# Altium PCB RockerBox_Rev01.PcbDoc (part 2 of 8)
Units mil, origin at the board's own origin, x right, y up, seen from the top; angles counter-clockwise.
Board outline 5354.33 x 8818.9 mil, 4 copper layers (L1, L2, L3, L4), stack 62.087 mil thick; 579 components, 159 nets, 3624 pads, 3252 vias.
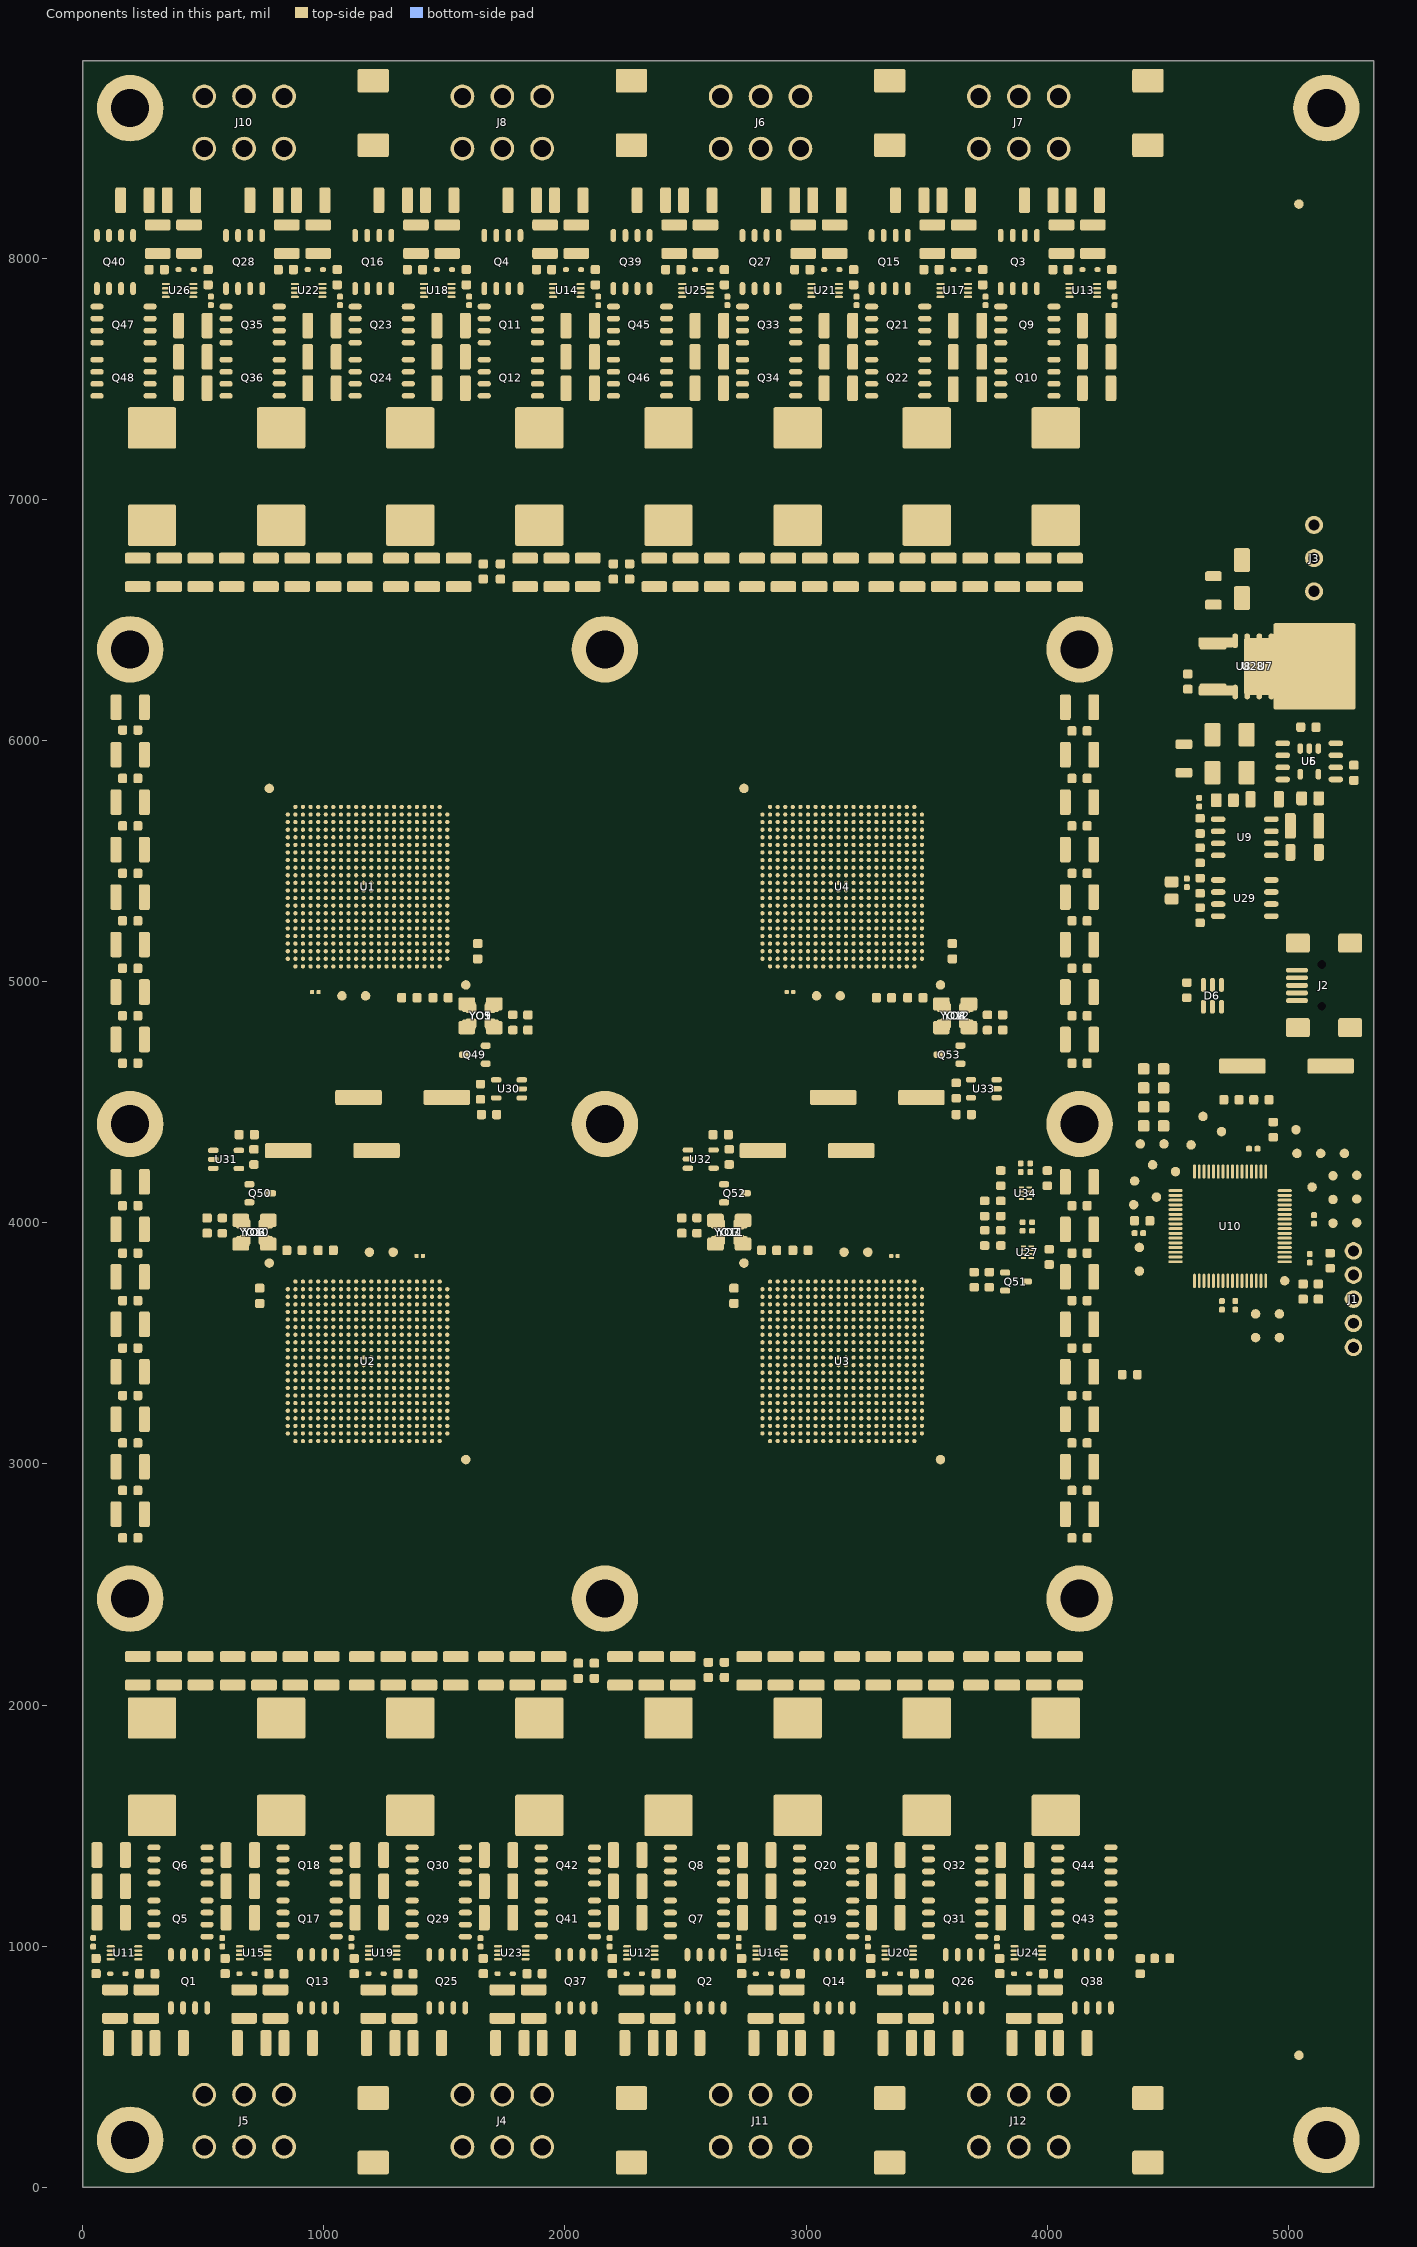
[diagram p4: the components of this part, seen from the top]

## Components (designator, comment, footprint, x,y, rotation, side; value= is the part's Value field where it differs from the comment) (continued)
C122 "100nF" SMD_0402_CAPC1005X55N 2673.23,7822.83 r270 top
C123 "100nF" SMD_0402_CAPC1005X55N 531.5,7822.83 r270 top
C124 "220nF" SMD_0603_CAPC1608X95N 1874.02,885.83 r0 top
C125 "220nF" SMD_0603_CAPC1608X95N 4015.75,885.83 r0 top
C126 "220nF" SMD_0603_CAPC1608X95N 2448.82,7952.76 r180 top
C127 "220nF" SMD_0603_CAPC1608X95N 307.09,7952.76 r180 top
C128 "100uF" SMD_1210_CAPC3225X270N 1740.16,759.84 r90 top
C129 "100uF" SMD_1210_CAPC3225X270N 1964.57,598.43 r0 top
C130 "220uF" SMD_1210_CAPC3225X279N 1952.76,2141.73 r270 top
C131 "220uF" SMD_1210_CAPC3225X279N 1692.91,2141.73 r270 top
C132 "220uF" SMD_1210_CAPC3225X279N 1822.83,2141.73 r270 top
C133 "100uF" SMD_1210_CAPC3225X270N 3881.89,759.84 r90 top
C134 "100uF" SMD_1210_CAPC3225X270N 4106.3,598.43 r0 top
C135 "220uF" SMD_1210_CAPC3225X279N 4094.49,2141.73 r270 top
C136 "220uF" SMD_1210_CAPC3225X279N 3834.65,2141.73 r270 top
C137 "220uF" SMD_1210_CAPC3225X279N 3964.57,2141.73 r270 top
C138 "100uF" SMD_1210_CAPC3225X270N 2582.68,8078.74 r270 top
C139 "100uF" SMD_1210_CAPC3225X270N 2358.27,8240.16 r180 top
C140 "220uF" SMD_1210_CAPC3225X279N 2629.92,6696.85 r90 top
C141 "220uF" SMD_1210_CAPC3225X279N 2500,6696.85 r90 top
C142 "220uF" SMD_1210_CAPC3225X279N 2370.08,6696.85 r90 top
C143 "100uF" SMD_1210_CAPC3225X270N 440.94,8078.74 r270 top
C144 "100uF" SMD_1210_CAPC3225X270N 216.54,8240.16 r180 top
C145 "220uF" SMD_1210_CAPC3225X279N 488.19,6696.85 r90 top
C146 "220uF" SMD_1210_CAPC3225X279N 358.27,6696.85 r90 top
C147 "220uF" SMD_1210_CAPC3225X279N 228.35,6696.85 r90 top
C148 "470nF" SMD_0603_CAPC1608X95N 196.85,4661.42 r180 top
C149 "470nF" SMD_0603_CAPC1608X95N 196.85,5448.82 r180 top
C150 "470nF" SMD_0603_CAPC1608X95N 1661.42,6700.79 r90 top
C151 "470nF" SMD_0603_CAPC1608X95N 196.85,5055.12 r180 top
C152 "470nF" SMD_0603_CAPC1608X95N 196.85,4858.27 r180 top
C153 "470nF" SMD_0603_CAPC1608X95N 196.85,5251.97 r180 top
C154 "470nF" SMD_0603_CAPC1608X95N 196.85,5645.67 r180 top
C155 "470nF" SMD_0603_CAPC1608X95N 196.85,5842.52 r180 top
C156 "220uF" SMD_1210_CAPC3225X279N 618.11,6696.85 r90 top
C157 "220uF" SMD_1210_CAPC3225X279N 196.85,6137.8 r180 top
C158 "220uF" SMD_1210_CAPC3225X279N 196.85,5547.24 r180 top
C159 "220uF" SMD_1210_CAPC3225X279N 196.85,5940.94 r180 top
C160 "220uF" SMD_1210_CAPC3225X279N 196.85,5744.09 r180 top
C161 "220uF" SMD_1210_CAPC3225X279N 196.85,5350.39 r180 top
C162 "220uF" SMD_1210_CAPC3225X279N 196.85,5153.54 r180 top
C163 "220uF" SMD_1210_CAPC3225X279N 196.85,4956.69 r180 top
C164 "220uF" SMD_1210_CAPC3225X279N 196.85,4759.84 r180 top
C165 "220uF" SMD_1210_CAPC3225X279N 1149.61,6696.85 r90 top
C166 "470nF" SMD_0603_CAPC1608X95N 2200.79,6700.79 r90 top
C167 "470nF" SMD_0603_CAPC1608X95N 4133.86,5842.52 r0 top
C168 "100nF" SMD_0402_CAPC1005X55N 3937.2,3984.25 r270 top
C169 "470nF" SMD_0603_CAPC1608X95N 4133.86,4858.27 r0 top
C170 "470nF" SMD_0603_CAPC1608X95N 4133.86,5251.97 r0 top
C171 "470nF" SMD_0603_CAPC1608X95N 2267.72,6700.79 r90 top
C172 "470nF" SMD_0603_CAPC1608X95N 4133.86,5055.12 r0 top
C173 "470nF" SMD_0603_CAPC1608X95N 4133.86,5448.82 r0 top
C174 "470nF" SMD_0603_CAPC1608X95N 4133.86,5645.67 r0 top
C175 "470nF" SMD_0603_CAPC1608X95N 4133.86,4661.42 r0 top
C176 "470nF" SMD_0603_CAPC1608X95N 4133.86,6039.37 r0 top
C177 "470nF" SMD_0603_CAPC1608X95N 196.85,3874.02 r180 top
C178 "470nF" SMD_0603_CAPC1608X95N 196.85,3677.17 r180 top
C179 "470nF" SMD_0603_CAPC1608X95N 196.85,2692.91 r180 top
C180 "470nF" SMD_0603_CAPC1608X95N 196.85,2889.76 r180 top
C181 "470nF" SMD_0603_CAPC1608X95N 196.85,4070.87 r180 top
C182 "470nF" SMD_0603_CAPC1608X95N 196.85,3086.61 r180 top
C183 "470nF" SMD_0603_CAPC1608X95N 196.85,3283.46 r180 top
C184 "470nF" SMD_0603_CAPC1608X95N 196.85,3480.31 r180 top
C185 "470nF" SMD_0603_CAPC1608X95N 2122.05,2141.73 r270 top
C186 "470nF" SMD_0603_CAPC1608X95N 2055.12,2141.73 r270 top
C187 "470nF" SMD_0603_CAPC1608X95N 2661.42,2145.67 r270 top
C188 "470nF" SMD_0603_CAPC1608X95N 2594.49,2145.67 r270 top
C189 "470nF" SMD_0603_CAPC1608X95N 4133.86,2692.91 r0 top
C190 "470nF" SMD_0603_CAPC1608X95N 4133.86,2889.76 r0 top
C191 "470nF" SMD_0603_CAPC1608X95N 4133.86,3086.61 r0 top
C192 "470nF" SMD_0603_CAPC1608X95N 4133.86,3283.46 r0 top
C193 "470nF" SMD_0603_CAPC1608X95N 4133.86,3480.31 r0 top
C194 "470nF" SMD_0603_CAPC1608X95N 4133.86,3677.17 r0 top
C195 "470nF" SMD_0603_CAPC1608X95N 4133.86,3874.02 r0 top
C196 "470nF" SMD_0603_CAPC1608X95N 4133.86,4070.87 r0 top
C197 "220uF" SMD_1210_CAPC3225X279N 4133.86,3972.44 r0 top
C198 "220uF" SMD_1210_CAPC3225X279N 3169.29,2141.73 r270 top
C199 "220uF" SMD_1210_CAPC3225X279N 3704.72,2141.73 r270 top
C200 "220uF" SMD_1210_CAPC3225X279N 4133.86,2791.34 r0 top
C201 "220uF" SMD_1210_CAPC3225X279N 4133.86,2988.19 r0 top
C202 "220uF" SMD_1210_CAPC3225X279N 4133.86,3381.89 r0 top
C203 "220uF" SMD_1210_CAPC3225X279N 4133.86,3185.04 r0 top
C204 "220uF" SMD_1210_CAPC3225X279N 4133.86,3578.74 r0 top
C205 "220uF" SMD_1210_CAPC3225X279N 4133.86,3775.59 r0 top
C206 "220uF" SMD_1210_CAPC3225X279N 4133.86,4169.29 r0 top
C207 "220uF" SMD_1210_CAPC3225X279N 1547.24,2141.73 r270 top
C208 "220uF" SMD_1210_CAPC3225X279N 1011.81,2141.73 r270 top
C209 "220uF" SMD_1210_CAPC3225X279N 196.85,4169.29 r180 top
C210 "220uF" SMD_1210_CAPC3225X279N 196.85,3972.44 r180 top
C211 "220uF" SMD_1210_CAPC3225X279N 196.85,3775.59 r180 top
C212 "220uF" SMD_1210_CAPC3225X279N 196.85,3381.89 r180 top
C213 "220uF" SMD_1210_CAPC3225X279N 196.85,3185.04 r180 top
C214 "220uF" SMD_1210_CAPC3225X279N 196.85,2988.19 r180 top
C215 "220uF" SMD_1210_CAPC3225X279N 196.85,2791.34 r180 top
C216 "220uF" SMD_1210_CAPC3225X279N 196.85,3578.74 r180 top
C217 "220uF" SMD_1210_CAPC3225X279N 4133.86,6137.8 r0 top
C218 "220uF" SMD_1210_CAPC3225X279N 4133.86,5744.09 r0 top
C219 "220uF" SMD_1210_CAPC3225X279N 3311.02,6696.85 r90 top
C220 "220uF" SMD_1210_CAPC3225X279N 2775.59,6696.85 r90 top
C221 "220uF" SMD_1210_CAPC3225X279N 4133.86,4759.84 r0 top
C222 "220uF" SMD_1210_CAPC3225X279N 4133.86,4956.69 r0 top
C223 "220uF" SMD_1210_CAPC3225X279N 4133.86,5153.54 r0 top
C224 "220uF" SMD_1210_CAPC3225X279N 4133.86,5350.39 r0 top
C225 "220uF" SMD_1210_CAPC3225X279N 4133.86,5547.24 r0 top
C226 "220uF" SMD_1210_CAPC3225X279N 4133.86,5940.94 r0 top
C227 "470nF" SMD_0603_CAPC1608X95N 1846.46,4830.71 r90 top
C228 "470nF" SMD_0603_CAPC1608X95N 515.75,3988.19 r270 top
C229 "470nF" SMD_0603_CAPC1608X95N 680.11,4365.33 r0 top
C230 "470nF" SMD_0603_CAPC1608X95N 3814.96,4830.71 r90 top
C231 "22uF" SMD_0805_CAPC2012X145N 4515.75,5377.95 r270 top
C232 "100nF" SMD_0402_CAPC1005X55N 4578.74,5409.45 r270 top
C233 "470nF" SMD_0603_CAPC1608X95N 1637.8,5125.98 r270 top
C234 "470nF" SMD_0603_CAPC1608X95N 733.68,3696.87 r90 top
C235 "470nF" SMD_0603_CAPC1608X95N 2700.79,3696.87 r90 top
C236 "220uF" SMD_1210_CAPC3225X279N 358.58,2142.33 r270 top
C237 "470nF" SMD_0603_CAPC1608X95N 3606.3,5125.98 r270 top
C238 "470nF" SMD_0603_CAPC1608X95N 1685.04,4448.82 r180 top
C239 "470nF" SMD_0603_CAPC1608X95N 3653.54,4448.82 r180 top
C240 "470nF" SMD_0603_CAPC1608X95N 2484.25,3988.19 r270 top
C241 "470nF" SMD_0603_CAPC1608X95N 2645.67,4365.33 r0 top
C242 "18pF" SMD_0603_CAPC1608X95N 1484.25,4933.07 r0 top
C243 "18pF" SMD_0603_CAPC1608X95N 1354.33,4933.07 r180 top
C244 "18pF" SMD_0603_CAPC1608X95N 877.95,3885.83 r180 top
C245 "18pF" SMD_0603_CAPC1608X95N 1007.87,3885.83 r0 top
C246 "18pF" SMD_0603_CAPC1608X95N 2846.46,3885.83 r180 top
C247 "18pF" SMD_0603_CAPC1608X95N 2976.38,3885.83 r0 top
C248 "18pF" SMD_0603_CAPC1608X95N 3452.76,4933.07 r0 top
C249 "18pF" SMD_0603_CAPC1608X95N 3322.83,4933.07 r180 top
C250 "100nF" SMD_0402_CAPC1005X55N 3889.96,4228.35 r270 top
C251 "100nF" SMD_0402_CAPC1005X55N 3929.33,4228.35 r270 top
C347 "1uF" SMD_0603_CAPC1608X95N 5271.65,5866.14 r90 top
C348 "100uF" SMD_1210_CAPC3225X270N 2307.09,598.43 r180 top
C349 "100uF" SMD_1210_CAPC3225X270N 2405.51,759.84 r90 top
C350 "220uF" SMD_1210_CAPC3225X279N 2259.84,1248.03 r180 top
C351 "220uF" SMD_1210_CAPC3225X279N 2259.84,1377.95 r180 top
C352 "220uF" SMD_1210_CAPC3225X279N 2259.84,1118.11 r180 top
C353 "100uF" SMD_1210_CAPC3225X270N 2015.75,8240.16 r0 top
C354 "100uF" SMD_1210_CAPC3225X270N 1917.32,8078.74 r270 top
C355 "220uF" SMD_1210_CAPC3225X279N 2062.99,7720.47 r0 top
C356 "220uF" SMD_1210_CAPC3225X279N 2062.99,7590.55 r0 top
C357 "220uF" SMD_1210_CAPC3225X279N 2062.99,7460.63 r0 top
C358 "100uF" SMD_1210_CAPC3225X270N 1480.31,8240.16 r0 top
C359 "100uF" SMD_1210_CAPC3225X270N 1381.89,8078.74 r270 top
C360 "220uF" SMD_1210_CAPC3225X279N 1527.56,7720.47 r0 top
C361 "220uF" SMD_1210_CAPC3225X279N 1527.56,7590.55 r0 top
C362 "220uF" SMD_1210_CAPC3225X279N 1527.56,7460.63 r0 top
C363 "100uF" SMD_1210_CAPC3225X270N 944.88,8240.16 r0 top
C364 "100uF" SMD_1210_CAPC3225X270N 846.46,8078.74 r270 top
C365 "220uF" SMD_1210_CAPC3225X279N 992.13,7460.63 r0 top
C366 "220uF" SMD_1210_CAPC3225X279N 992.13,7590.55 r0 top
C367 "220uF" SMD_1210_CAPC3225X279N 992.13,7720.47 r0 top
C368 "100uF" SMD_1210_CAPC3225X270N 409.45,8240.16 r0 top
C369 "100uF" SMD_1210_CAPC3225X270N 311.02,8078.74 r270 top
C370 "220uF" SMD_1210_CAPC3225X279N 456.69,7460.63 r0 top
C371 "220uF" SMD_1210_CAPC3225X279N 456.69,7590.55 r0 top
C372 "220uF" SMD_1210_CAPC3225X279N 456.69,7720.47 r0 top
C373 "100uF" SMD_1210_CAPC3225X270N 4157.48,8240.16 r0 top
C374 "100uF" SMD_1210_CAPC3225X270N 4059.06,8078.74 r270 top
C375 "220uF" SMD_1210_CAPC3225X279N 4204.72,7590.55 r0 top
C376 "220uF" SMD_1210_CAPC3225X279N 4204.72,7720.47 r0 top
C377 "220uF" SMD_1210_CAPC3225X279N 4204.72,7460.63 r0 top
C378 "100uF" SMD_1210_CAPC3225X270N 3622.05,8240.16 r0 top
C379 "100uF" SMD_1210_CAPC3225X270N 3523.62,8078.74 r270 top
C380 "220uF" SMD_1210_CAPC3225X279N 3669.29,7456.69 r0 top
C381 "220uF" SMD_1210_CAPC3225X279N 3669.29,7590.55 r0 top
C382 "220uF" SMD_1210_CAPC3225X279N 3669.29,7720.47 r0 top
C383 "100uF" SMD_1210_CAPC3225X270N 3086.61,8240.16 r0 top
C384 "100uF" SMD_1210_CAPC3225X270N 2988.19,8078.74 r270 top
C385 "220uF" SMD_1210_CAPC3225X279N 3133.86,7460.63 r0 top
C386 "220uF" SMD_1210_CAPC3225X279N 3133.86,7590.55 r0 top
C387 "220uF" SMD_1210_CAPC3225X279N 3133.86,7720.47 r0 top
C388 "220uF" SMD_1210_CAPC3225X279N 2598.43,7460.63 r0 top
C389 "220uF" SMD_1210_CAPC3225X279N 2598.43,7590.55 r0 top
C390 "220uF" SMD_1210_CAPC3225X279N 2598.43,7720.47 r0 top
C391 "100uF" SMD_1210_CAPC3225X270N 2551.18,8240.16 r0 top
C392 "100uF" SMD_1210_CAPC3225X270N 2452.76,8078.74 r270 top
C393 "220uF" SMD_1210_CAPC3225X279N 2795.28,1248.03 r180 top
C394 "220uF" SMD_1210_CAPC3225X279N 2795.28,1377.95 r180 top
C395 "220uF" SMD_1210_CAPC3225X279N 2795.28,1118.11 r180 top
C396 "220uF" SMD_1210_CAPC3225X279N 3330.71,1248.03 r180 top
C397 "220uF" SMD_1210_CAPC3225X279N 3330.71,1377.95 r180 top
C398 "220uF" SMD_1210_CAPC3225X279N 3330.71,1118.11 r180 top
C399 "220uF" SMD_1210_CAPC3225X279N 3866.14,1248.03 r180 top
C400 "220uF" SMD_1210_CAPC3225X279N 3866.14,1377.95 r180 top
C401 "220uF" SMD_1210_CAPC3225X279N 3866.14,1118.11 r180 top
C402 "100uF" SMD_1210_CAPC3225X270N 2842.52,598.43 r180 top
C403 "100uF" SMD_1210_CAPC3225X270N 2940.94,759.84 r90 top
C404 "100uF" SMD_1210_CAPC3225X270N 3377.95,598.43 r180 top
C405 "100uF" SMD_1210_CAPC3225X270N 3476.38,759.84 r90 top
C406 "100uF" SMD_1210_CAPC3225X270N 3913.39,598.43 r180 top
C407 "100uF" SMD_1210_CAPC3225X270N 4011.81,759.84 r90 top
C408 "220uF" SMD_1210_CAPC3225X279N 118.11,1248.03 r180 top
C409 "220uF" SMD_1210_CAPC3225X279N 118.11,1377.95 r180 top
C410 "220uF" SMD_1210_CAPC3225X279N 118.11,1118.11 r180 top
C411 "220uF" SMD_1210_CAPC3225X279N 653.54,1248.03 r180 top
C412 "220uF" SMD_1210_CAPC3225X279N 653.54,1377.95 r180 top
C413 "220uF" SMD_1210_CAPC3225X279N 653.54,1118.11 r180 top
C414 "220uF" SMD_1210_CAPC3225X279N 1188.98,1248.03 r180 top
C415 "220uF" SMD_1210_CAPC3225X279N 1188.98,1377.95 r180 top
C416 "220uF" SMD_1210_CAPC3225X279N 1188.98,1118.11 r180 top
C417 "220uF" SMD_1210_CAPC3225X279N 1724.41,1248.03 r180 top
C418 "220uF" SMD_1210_CAPC3225X279N 1724.41,1377.95 r180 top
C419 "220uF" SMD_1210_CAPC3225X279N 1724.41,1118.11 r180 top
C420 "100uF" SMD_1210_CAPC3225X270N 165.35,598.43 r180 top
C421 "100uF" SMD_1210_CAPC3225X270N 263.78,759.84 r90 top
C422 "100uF" SMD_1210_CAPC3225X270N 700.79,598.43 r180 top
C423 "100uF" SMD_1210_CAPC3225X270N 799.21,759.84 r90 top
C424 "100uF" SMD_1210_CAPC3225X270N 1236.22,598.43 r180 top
C425 "100uF" SMD_1210_CAPC3225X270N 1334.65,759.84 r90 top
C426 "100uF" SMD_1210_CAPC3225X270N 1771.65,598.43 r180 top
C427 "100uF" SMD_1210_CAPC3225X270N 1870.08,759.84 r90 top
D1 "KP-2012CGCK" SMD_0805_LED2012X100N 4440.94,4401.57 r0 top
D2 "KP-2012CGCK" SMD_0805_LED2012X100N 4440.94,4480.31 r0 top
D3 "KP-2012CGCK" SMD_0805_LED2012X100N 4440.94,4637.8 r0 top
D4 "KP-2012CGCK" SMD_0805_LED2012X100N 4440.94,4559.06 r0 top
D5 "(OPT)SS14" SMD_DO214AC_SMA 4685.04,5944.88 r90 top
D6 "SMS05T1G" SMD_SOT457_SOT95P275X110-6N 4685.04,4940.94 r270 top
D7 "(OPT)SS14" SMD_DO214AC_SMA 4826.77,5944.88 r270 top
D8 "SS14" SMD_DO214AC_SMA 4807.09,6669.29 r90 top
D9 "SMCJ12A" SMD_DO214AC_SMC 4417.32,236.22 r270 top
D10 "1N4448HWT" SMD_SOD523_SOD1608X65N 145.67,885.83 r180 top
D11 "1N4448HWT" SMD_SOD523_SOD1608X65N 2287.4,885.83 r180 top
D12 "1N4448HWT" SMD_SOD523_SOD1608X65N 4177.17,7952.76 r0 top
D13 "1N4448HWT" SMD_SOD523_SOD1608X65N 2035.43,7952.76 r0 top
D14 "1N4448HWT" SMD_SOD523_SOD1608X65N 681.1,885.83 r180 top
D15 "1N4448HWT" SMD_SOD523_SOD1608X65N 2822.83,885.83 r180 top
D16 "1N4448HWT" SMD_SOD523_SOD1608X65N 3641.73,7952.76 r0 top
D17 "1N4448HWT" SMD_SOD523_SOD1608X65N 1500,7952.76 r0 top
D18 "1N4448HWT" SMD_SOD523_SOD1608X65N 1216.54,885.83 r180 top
D19 "1N4448HWT" SMD_SOD523_SOD1608X65N 3358.27,885.83 r180 top
D20 "1N4448HWT" SMD_SOD523_SOD1608X65N 3106.3,7952.76 r0 top
D21 "1N4448HWT" SMD_SOD523_SOD1608X65N 964.57,7952.76 r0 top
D22 "1N4448HWT" SMD_SOD523_SOD1608X65N 1751.97,885.83 r180 top
D23 "1N4448HWT" SMD_SOD523_SOD1608X65N 3893.7,885.83 r180 top
D24 "1N4448HWT" SMD_SOD523_SOD1608X65N 2570.87,7952.76 r0 top
D25 "1N4448HWT" SMD_SOD523_SOD1608X65N 429.13,7952.76 r0 top
D26 "SMCJ12A" SMD_DO214AC_SMC 2275.59,236.22 r270 top
D27 "SMCJ12A" SMD_DO214AC_SMC 3346.46,236.22 r270 top
D28 "SMCJ12A" SMD_DO214AC_SMC 1204.72,236.22 r270 top
D29 "SMCJ12A" SMD_DO214AC_SMC 1204.72,8602.36 r90 top
D30 "SMCJ12A" SMD_DO214AC_SMC 3346.46,8602.36 r90 top
D31 "SMCJ12A" SMD_DO214AC_SMC 2275.59,8602.36 r90 top
D32 "SMCJ12A" SMD_DO214AC_SMC 4417.32,8602.36 r90 top
FID1 "FIDUCIAL 100X200" FID100X200 5043.5,547.24 r0 top
FID2 "FIDUCIAL 100X200" FID100X200 5043.5,8224.41 r0 top
J1 "CONN PCB 5P M S" PTH_HDRV05W64P254_1X05 5269.68,3683.07 r270 top
J2 "USB MINI" SMD_CON-CVILUX-CU04-SCM15B0 5137.8,4984.25 r90 top
J3 "HD-351-3P" PTH_CON_HD-351-3P 5106.3,6755.91 r90 top
J4 "WR-MPC4" PTH_CON_WR-MRC4-6P_S 1740.16,275.59 r180 top
J5 "WR-MPC4" PTH_CON_WR-MRC4-6P_S 669.29,275.59 r180 top
J6 "WR-MPC4" PTH_CON_WR-MRC4-6P_S 2811.02,8562.99 r0 top
J7 "WR-MPC4" PTH_CON_WR-MRC4-6P_S 3881.89,8562.99 r0 top
J8 "WR-MPC4" PTH_CON_WR-MRC4-6P_S 1740.16,8562.99 r0 top
J9 "PTH_MTG400_700" PTH_MTG400_700 196.85,4409.45 r0 top
J10 "WR-MPC4" PTH_CON_WR-MRC4-6P_S 669.29,8562.99 r0 top
J11 "WR-MPC4" PTH_CON_WR-MRC4-6P_S 2811.02,275.59 r180 top
J12 "WR-MPC4" PTH_CON_WR-MRC4-6P_S 3881.89,275.59 r180 top
J13 "PTH_MTG400_700" PTH_MTG400_700 2165.35,4409.45 r0 top
J14 "PTH_MTG400_700" PTH_MTG400_700 2165.35,6377.95 r0 top
J15 "PTH_MTG400_700" PTH_MTG400_700 196.85,6377.95 r0 top
J16 "PTH_MTG400_700" PTH_MTG400_700 4133.86,6377.95 r0 top
J17 "PTH_MTG400_700" PTH_MTG400_700 4133.86,4409.45 r0 top
J18 "PTH_MTG400_700" PTH_MTG400_700 196.85,2440.94 r0 top
J19 "PTH_MTG400_700" PTH_MTG400_700 2165.35,2440.94 r0 top
J20 "PTH_MTG400_700" PTH_MTG400_700 4133.86,2440.94 r0 top
J21 "PTH_MTG400_700" PTH_MTG400_700 196.85,196.85 r0 top
J22 "PTH_MTG400_700" PTH_MTG400_700 5157.48,196.85 r0 top
J23 "PTH_MTG400_700" PTH_MTG400_700 196.85,8622.05 r0 top
J24 "PTH_MTG400_700" PTH_MTG400_700 5157.48,8622.05 r0 top
L1 "DB_VALUE" SMT_INDM135130X800N 287.4,1744.09 r90 top
L2 "DB_VALUE" SMT_INDM135130X800N 2429.13,1744.09 r90 top
L3 "DB_VALUE" SMT_INDM135130X800N 4035.43,7094.49 r270 top
L4 "DB_VALUE" SMT_INDM135130X800N 1893.7,7094.49 r270 top
L5 "DB_VALUE" SMT_INDM135130X800N 822.83,1744.09 r90 top
L6 "DB_VALUE" SMT_INDM135130X800N 2964.57,1744.09 r90 top
L7 "DB_VALUE" SMT_INDM135130X800N 3500,7094.49 r270 top
L8 "DB_VALUE" SMT_INDM135130X800N 1358.27,7094.49 r270 top
L9 "DB_VALUE" SMT_INDM135130X800N 1358.27,1744.09 r90 top
L10 "DB_VALUE" SMT_INDM135130X800N 3500,1744.09 r90 top
L11 "DB_VALUE" SMT_INDM135130X800N 2964.57,7094.49 r270 top
L12 "DB_VALUE" SMT_INDM135130X800N 822.83,7094.49 r270 top
L13 "DB_VALUE" SMT_INDM135130X800N 1893.7,1744.09 r90 top
L14 "DB_VALUE" SMT_INDM135130X800N 4035.43,1744.09 r90 top
L15 "DB_VALUE" SMT_INDM135130X800N 2429.13,7094.49 r270 top
L16 "DB_VALUE" SMT_INDM135130X800N 287.4,7094.49 r270 top
Q1 "AP1RA03GMT-HF-3" SMD_SOIC127P600X110-9AN 440.94,854.33 r270 top
Q2 "AP1RA03GMT-HF-3" SMD_SOIC127P600X110-9AN 2582.68,854.33 r270 top
Q3 "AP1RA03GMT-HF-3" SMD_SOIC127P600X110-9AN 3881.89,7984.25 r90 top
Q4 "AP1RA03GMT-HF-3" SMD_SOIC127P600X110-9AN 1740.16,7984.25 r90 top
Q5 "AP1RA03GMT-HF-3" SMD_SOIC127P600X110-9AN 405.51,1114.17 r0 top
Q6 "AP1RA03GMT-HF-3" SMD_SOIC127P600X110-9AN 405.51,1334.65 r0 top
Q7 "AP1RA03GMT-HF-3" SMD_SOIC127P600X110-9AN 2547.24,1114.17 r0 top
Q8 "AP1RA03GMT-HF-3" SMD_SOIC127P600X110-9AN 2547.24,1334.65 r0 top
Q9 "AP1RA03GMT-HF-3" SMD_SOIC127P600X110-9AN 3917.32,7724.41 r180 top
Q10 "AP1RA03GMT-HF-3" SMD_SOIC127P600X110-9AN 3917.32,7503.94 r180 top
Q11 "AP1RA03GMT-HF-3" SMD_SOIC127P600X110-9AN 1775.59,7724.41 r180 top
Q12 "AP1RA03GMT-HF-3" SMD_SOIC127P600X110-9AN 1775.59,7503.94 r180 top
Q13 "AP1RA03GMT-HF-3" SMD_SOIC127P600X110-9AN 976.38,854.33 r270 top
Q14 "AP1RA03GMT-HF-3" SMD_SOIC127P600X110-9AN 3118.11,854.33 r270 top
Q15 "AP1RA03GMT-HF-3" SMD_SOIC127P600X110-9AN 3346.46,7984.25 r90 top
Q16 "AP1RA03GMT-HF-3" SMD_SOIC127P600X110-9AN 1204.72,7984.25 r90 top
Q17 "AP1RA03GMT-HF-3" SMD_SOIC127P600X110-9AN 940.94,1114.17 r0 top
Q18 "AP1RA03GMT-HF-3" SMD_SOIC127P600X110-9AN 940.94,1334.65 r0 top
Q19 "AP1RA03GMT-HF-3" SMD_SOIC127P600X110-9AN 3082.68,1114.17 r0 top
Q20 "AP1RA03GMT-HF-3" SMD_SOIC127P600X110-9AN 3082.68,1334.65 r0 top
Q21 "AP1RA03GMT-HF-3" SMD_SOIC127P600X110-9AN 3381.89,7724.41 r180 top
Q22 "AP1RA03GMT-HF-3" SMD_SOIC127P600X110-9AN 3381.89,7503.94 r180 top
Q23 "AP1RA03GMT-HF-3" SMD_SOIC127P600X110-9AN 1240.16,7724.41 r180 top
Q24 "AP1RA03GMT-HF-3" SMD_SOIC127P600X110-9AN 1240.16,7503.94 r180 top
Q25 "AP1RA03GMT-HF-3" SMD_SOIC127P600X110-9AN 1511.81,854.33 r270 top
Q26 "AP1RA03GMT-HF-3" SMD_SOIC127P600X110-9AN 3653.54,854.33 r270 top
Q27 "AP1RA03GMT-HF-3" SMD_SOIC127P600X110-9AN 2811.02,7984.25 r90 top
Q28 "AP1RA03GMT-HF-3" SMD_SOIC127P600X110-9AN 669.29,7984.25 r90 top
Q29 "AP1RA03GMT-HF-3" SMD_SOIC127P600X110-9AN 1476.38,1114.17 r0 top
Q30 "AP1RA03GMT-HF-3" SMD_SOIC127P600X110-9AN 1476.38,1334.65 r0 top
Q31 "AP1RA03GMT-HF-3" SMD_SOIC127P600X110-9AN 3618.11,1114.17 r0 top
Q32 "AP1RA03GMT-HF-3" SMD_SOIC127P600X110-9AN 3618.11,1334.65 r0 top
Q33 "AP1RA03GMT-HF-3" SMD_SOIC127P600X110-9AN 2846.46,7724.41 r180 top
Q34 "AP1RA03GMT-HF-3" SMD_SOIC127P600X110-9AN 2846.46,7503.94 r180 top
Q35 "AP1RA03GMT-HF-3" SMD_SOIC127P600X110-9AN 704.72,7724.41 r180 top
Q36 "AP1RA03GMT-HF-3" SMD_SOIC127P600X110-9AN 704.72,7503.94 r180 top
Q37 "AP1RA03GMT-HF-3" SMD_SOIC127P600X110-9AN 2047.24,854.33 r270 top
Q38 "AP1RA03GMT-HF-3" SMD_SOIC127P600X110-9AN 4188.98,854.33 r270 top
Q39 "AP1RA03GMT-HF-3" SMD_SOIC127P600X110-9AN 2275.59,7984.25 r90 top
Q40 "AP1RA03GMT-HF-3" SMD_SOIC127P600X110-9AN 133.86,7984.25 r90 top
Q41 "AP1RA03GMT-HF-3" SMD_SOIC127P600X110-9AN 2011.81,1114.17 r0 top
Q42 "AP1RA03GMT-HF-3" SMD_SOIC127P600X110-9AN 2011.81,1334.65 r0 top
Q43 "AP1RA03GMT-HF-3" SMD_SOIC127P600X110-9AN 4153.54,1114.17 r0 top
Q44 "AP1RA03GMT-HF-3" SMD_SOIC127P600X110-9AN 4153.54,1334.65 r0 top
Q45 "AP1RA03GMT-HF-3" SMD_SOIC127P600X110-9AN 2311.02,7724.41 r180 top
Q46 "AP1RA03GMT-HF-3" SMD_SOIC127P600X110-9AN 2311.02,7503.94 r180 top
Q47 "AP1RA03GMT-HF-3" SMD_SOIC127P600X110-9AN 169.29,7724.41 r180 top
Q48 "AP1RA03GMT-HF-3" SMD_SOIC127P600X110-9AN 169.29,7503.94 r180 top
Q49 "BSS138" SMD_SOT23_SOT95P240X112-3N 1625.98,4696.85 r180 top
Q50 "BSS138" SMD_SOT23_SOT95P240X112-3N 736.22,4122.05 r0 top
Q51 "BSS138" SMD_SOT23_SOT95P240X112-3N 3870.28,3755.91 r0 top
Q52 "BSS138" SMD_SOT23_SOT95P240X112-3N 2704.72,4122.05 r0 top
Q53 "BSS138" SMD_SOT23_SOT95P240X112-3N 3594.49,4696.85 r180 top
R1 "0R" SMD_0201_RESC0603X26N 964.57,4956.69 r180 top